# Altium PCB AL1000.PcbDoc (part 5 of 8) (continued)
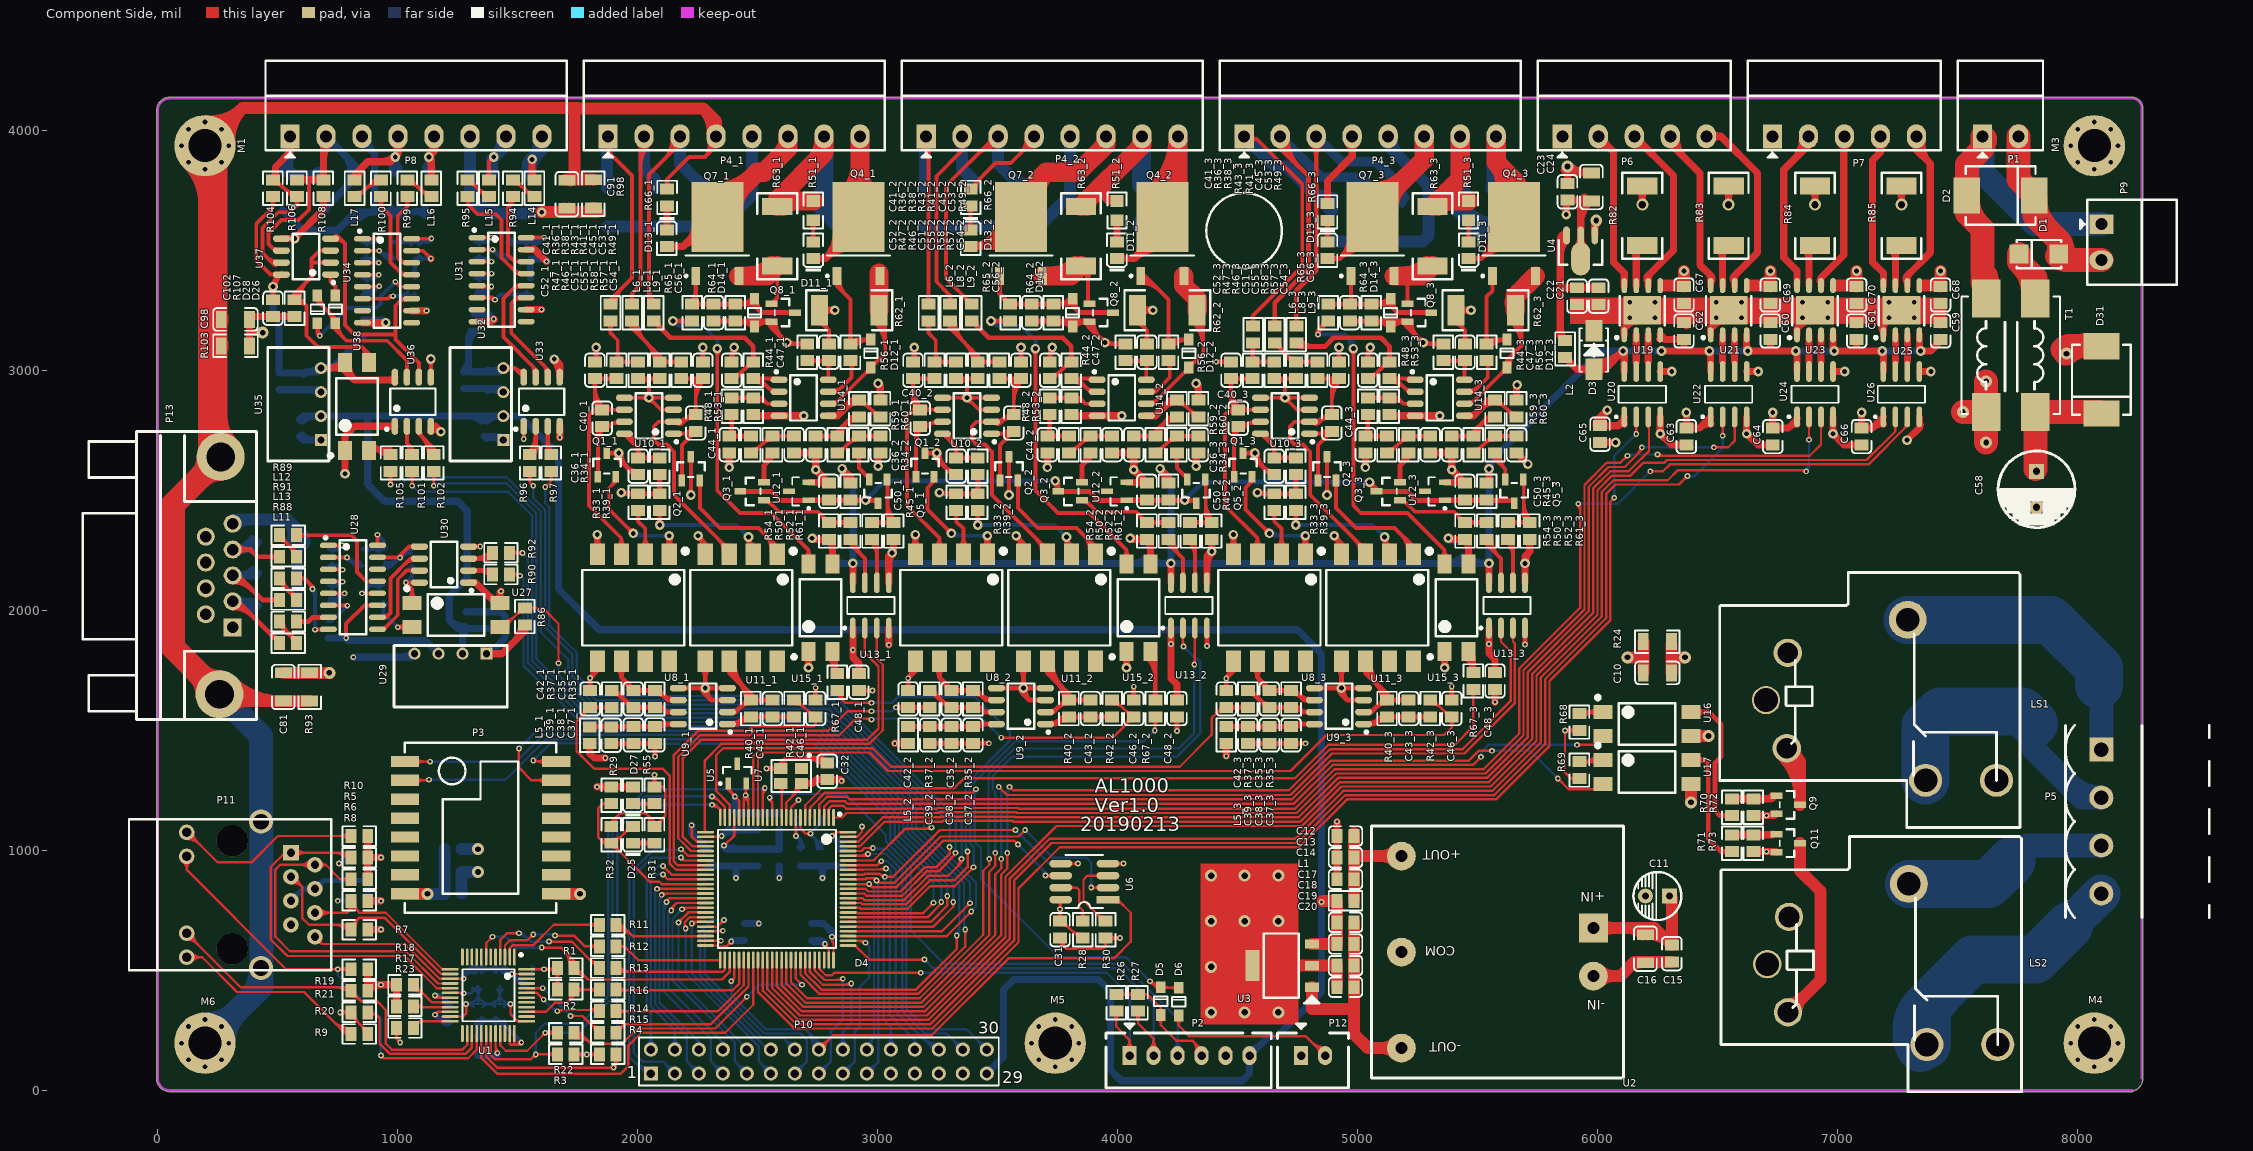
[diagram p0: Component Side view]
## Nets (pads, with @x,y where several pads share a name; then routed paths per layer and width w, separated by ;. In a path a pad name is that pad's centre, name@x,y a point inside that pad or via, vN(x,y) a via of type N, cw(c..) or ccw(c..) an arc to the next point about the centre after c; other vN are vias at no path point) (continued)
  Solder Side w10: v1(2080,840) 2073,833 2073,358.35 2205,226.35 2205,120 P10.5@2255,70 ; P10.5@2230.47,70 ccw(c2171.26,70) 2213.13,111.87 ccw(c2255,153.74) P10.5@2255,94.53 ; P10.5@2240.47,70 ccw(c2205.4,70) 2230.2,94.8 ccw(c2255,119.6) P10.5@2255,84.53
NetD4_39: D4.39 P10.6 | length 1007
  Component Side w10: v1(2100,815) 2105.32,820.31 D4.39@2282.76,820.31 ; v1@2104.95,810.05 cw(c2129.73,785.27) 2129.73,820.32
  Solder Side w10: 2091,776.37 cw(c2138.63,776.37) v1@2104.95,810.05 ; 2091,800.51 cw(c2114.49,800.51) v1@2097.88,817.12 ; v1(2100,815) 2091,806 2091,365.81 2255,201.81 ; P10.6@2248.76,193.72 ccw(c2246.64,201.81) 2255,201.81 ; P10.6@2255,170 2255,201.81 ; P10.6@2261.24,193.72 cw(c2263.36,201.81) 2255,201.81
NetD4_40: D4.40 P10.7 | length 1225.5
  Component Side w10: v1@2115,785 2130.63,800.63 ; v1@2126.79,786.71 cw(c2140.97,790.28) 2130.63,800.63 ; D4.40@2282.76,800.63 2130.63,800.63
  Solder Side w10: 2109,741.54 cw(c2163.46,741.54) v1@2124.95,780.05 ; 2109,765.69 cw(c2139.31,765.69) v1@2117.88,787.12 ; v1(2120,785) 2109,774 2109,411 2305,215 2305,120 P10.7@2355,70 ; P10.7@2330.47,70 ccw(c2271.26,70) 2313.13,111.87 ccw(c2355,153.74) P10.7@2355,94.53 ; P10.7@2340.47,70 ccw(c2305.4,70) 2330.2,94.8 ccw(c2355,119.6) P10.7@2355,84.53
NetD4_41: D4.41 P10.8 | length 934.4
  Component Side w10: v1@2137,750 cw(c2153.9,750) 2141.95,761.95 ; v1@2140,760 2160.94,780.94 D4.41@2282.76,780.94 ; v1@2147,750 cw(c2188.04,750) 2159.02,779.02
  Solder Side w10: v1@2133,750 cw(c2116.1,750) 2128.05,738.05 cw(c2140,726.1) v1@2140,743 ; v1(2140,750) 2127,737 2127,428 2355,200 ; P10.8@2340.6,170 P10.8@2355,170 2355,200 ; P10.8@2350.13,194.04 ccw(c2348.92,200) 2355,200 ; P10.8@2359.87,194.04 cw(c2361.08,200) 2355,200
NetD4_42: D4.42 P10.9 | length 1135
  Component Side w10: v1(2185,755) 2191.26,761.26 D4.42@2282.76,761.26 ; v1@2189.95,750.05 cw(c2217.01,722.99) 2217.01,761.26
  Solder Side w10: v1@2178,755 cw(c2161.1,755) 2173.05,743.05 cw(c2185,731.1) v1@2185,748 ; v1(2185,755) 2145,715 2145,458.18 2405,198.18 2405,120 P10.9@2455,70 ; P10.9@2430.47,70 ccw(c2371.26,70) 2413.13,111.87 ccw(c2455,153.74) P10.9@2455,94.53 ; P10.9@2440.47,70 ccw(c2405.4,70) 2430.2,94.8 ccw(c2455,119.6) P10.9@2455,84.53
NetD4_43: D4.43 P10.10 | length 831.4
  Component Side w10: v1(2170,700) 2170,700.46 2211.12,741.57 D4.43@2282.76,741.57 ; v1@2170,707 ccw(c2170,722.8) 2181.17,711.63 ; v1@2177,700 cw(c2195,700) 2182.27,712.73
  Solder Side w10: v1@2165.05,695.05 cw(c2153.1,683.1) 2170,683.1 cw(c2186.9,683.1) v1@2174.95,695.05 ; v1(2170,700) 2170,458.63 2455,173.63 P10.10@2455,170
NetD4_44: D4.44 P10.11 | length 1073
  Component Side w10: v1(2200,675) 2195,680 2195,700 ; v1@2204.38,680.46 cw(c2220.04,700) 2195,700 ; D4.44@2282.76,721.89 2216.89,721.89 2195,700
  Solder Side w10: v1@2195.05,670.05 cw(c2183.1,658.1) 2200,658.1 cw(c2216.9,658.1) v1@2204.95,670.05 ; v1(2200,675) 2200,488.18 2505,183.18 2505,120 P10.11@2555,70 ; P10.11@2530.47,70 ccw(c2471.26,70) 2513.13,111.87 ccw(c2555,153.74) P10.11@2555,94.53 ; P10.11@2540.47,70 ccw(c2505.4,70) 2530.2,94.8 ccw(c2555,119.6) P10.11@2555,84.53
NetD4_45: D4.45 P10.12 | length 801.9
  Component Side w10: v1@2223.18,697.07 cw(c2235.58,684.68) 2235.58,702.2 ; v1(2225.3,694.95) 2232.56,702.2 D4.45@2282.76,702.2 ; v1@2230.25,690 cw(c2259.72,660.54) D4.45@2259.72,702.2
  Solder Side w10: v1@2220.36,690 cw(c2209.14,678.79) 2225,678.79 ; 2225,677.31 cw(c2242.94,677.31) v1@2230.25,690 ; v1(2225.3,694.95) 2225,694.64 2225,488.63 2543.63,170 P10.12@2555,170
NetD4_46: D4.46 P10.14 | length 1114.5
  Component Side w10: D4.46@2282.76,682.52 2332.52,682.52 v1(2360,710) ; v1@2353,710 cw(c2336.1,710) 2348.05,698.05 cw(c2360,686.1) v1@2360,703
  Solder Side w10: v1@2355.05,705.05 ccw(c2343.1,693.1) 2343.1,710 ccw(c2343.1,726.9) v1@2355.05,714.95 ; v1(2360,710) 2310,710 2260,660 2260,479.09 2520.09,219 2606,219 P10.14@2655,170 ; P10.14@2630.47,170 ccw(c2571.26,170) 2613.13,211.87 ccw(c2655,253.74) P10.14@2655,194.53 ; P10.14@2640.47,170 ccw(c2605.4,170) 2630.2,194.8 ccw(c2655,219.6) P10.14@2655,184.53
NetD4_47: D4.47 P10.13 | length 1213
  Component Side w10: D4.47@2282.76,662.83 2352.83,662.83 v1(2355,665) ; 2332.87,662.83 ccw(c2332.87,687.13) v1@2350.05,669.95
  Solder Side w10: v1@2350.05,660.05 ccw(c2338.1,648.1) 2338.1,665 ccw(c2338.1,681.9) v1@2350.05,669.95 ; v1(2355,665) 2295,665 2280,650 2280,484.54 2527.54,237 2678,237 2705,210 2705,120 P10.13@2655,70 ; P10.13@2655,84.53 ccw(c2655,119.6) 2679.8,94.8 ccw(c2704.6,70) P10.13@2669.53,70 ; P10.13@2655,94.53 ccw(c2655,153.74) 2696.87,111.87 ccw(c2738.74,70) P10.13@2679.53,70
NetD4_48: D4.48 R11.2 | length 576.7
  Component Side w10: R11.2@1908.54,695.97 cw(c1912.62,663.2) 1935.97,686.55 ; R11.2@1909.77,686.05 cw(c1915.82,637.47) 1950.44,672.08 ; R11.2@1911.01,676.12 cw(c1919.03,611.74) 1964.9,657.62 ; R11.2@1912.24,666.2 cw(c1922.23,586.01) 1979.37,643.15 ; R11.2@1932.52,690 1979.37,643.15 ; D4.48@2282.76,643.15 1979.37,643.15
NetD4_51: D4.51 R12.2 | length 505.3
  Component Side w10: R12.2@1910.04,600 1945,600 ; R12.2@1924.48,589.53 cw(c1945,574.65) 1945,600 ; R12.2@1924.48,610.47 ccw(c1945,625.35) 1945,600 ; D4.51@2343.78,542.76 2002.24,542.76 1945,600
NetD4_52: D4.52 R13.2 | length 621.8
  Component Side w10: R13.2@1910.04,510 1925.72,494.32 2354.32,494.32 2363.46,503.46 D4.52@2363.46,542.76 ; R13.2@1915.58,509.44 ccw(c1952.07,545.93) 1952.07,494.32 ; R13.2@1922.65,516.51 ccw(c1976.21,570.07) 1976.21,494.32 ; 2355.97,495.97 ccw(c2339.1,512.83) D4.52@2362.95,512.83
NetD4_53: D4.53 R1.1 U1.7 | length 1677.8
  Component Side w10: U1.7@1368.15,555.79 1368.15,613.15 v1(1395,640) ; v1@1388,640 cw(c1371.1,640) 1383.05,628.05 cw(c1395,616.1) v1@1395,633 ; v1(1600,595) 1680,595 1735.04,539.96 ; v1@1604.95,590.05 cw(c1616.9,578.1) 1616.9,595 cw(c1616.9,611.9) v1@1604.95,599.95 ; 1687.72,587.28 cw(c1616.55,516.1) R1.1@1717.2,516.1 ; 1704.79,570.21 cw(c1650.69,516.1) R1.1@1727.2,516.1 ; 1721.87,553.13 cw(c1684.83,516.1) R1.1@1737.2,516.1 ; R1.1@1729.99,533.21 ccw(c1728,539.96) 1735.04,539.96 ; R1.1@1735.04,486.06 cw(c1735.04,404.23) 1792.91,462.09 ; R1.1@1735.04,496.06 cw(c1735.04,438.37) 1775.84,479.16 ; R1.1@1735.04,506.06 cw(c1735.04,472.51) 1758.76,496.24 ; R1.1@1740.09,533.21 cw(c1742.08,539.96) 1735.04,539.96 ; D4.53@2383.15,542.76 2383.15,493.15 2351.94,461.94 1793.06,461.94 1745,510 R1.1@1735.04,510 1735.04,539.96
  Solder Side w10: v1(1395,640) 1450,640 1495,595 v1(1600,595) ; v1@1399.95,635.05 cw(c1411.9,623.1) 1411.9,640 cw(c1411.9,656.9) v1@1399.95,644.95 ; v1@1595.05,590.05 ccw(c1583.1,578.1) 1583.1,595 ccw(c1583.1,611.9) v1@1595.05,599.95
NetD4_54: D4.54 P10.16 U6.1 | length 2891.5
  Component Side w10: v1(2390,455) 2402.83,467.83 D4.54@2402.83,542.76 ; v1@2390,462 ccw(c2390,478.9) 2401.95,466.95 ccw(c2413.9,455) v1@2397,455 ; P10.16@2755,170 2815,230 3225,230 3545,550 3985,550 4055,620 4055,740 4000,795 U6.1@3960,795 ; P10.16@2755,184.53 ccw(c2755,219.6) 2779.8,194.8 ccw(c2804.6,170) P10.16@2769.53,170 ; P10.16@2755,194.53 ccw(c2755,253.74) 2796.87,211.87 ccw(c2838.74,170) P10.16@2779.53,170 ; U6.1@3991.5,784.25 cw(c3991.5,737.77) 4024.36,770.64 ; U6.1@3991.5,794.25 cw(c3991.5,771.92) 4007.29,787.71
  Solder Side w10: v1@2385.05,450.05 cw(c2373.1,438.1) 2390,438.1 cw(c2406.9,438.1) v1@2394.95,450.05 ; v1(2390,455) 2390,400 2535,255 2700,255 ; 2715.31,239.69 cw(c2653.76,178.15) P10.16@2740.52,171.17 ; P10.16@2730.55,171.97 ccw(c2625.43,180.43) 2700,255 ; 2730.61,224.39 cw(c2682.09,175.87) P10.16@2750.49,170.36 ; 2745.91,209.09 cw(c2710.41,173.59) P10.16@2760.45,169.56 ; P10.16@2750.13,194.04 ccw(c2748.92,200) 2755,200 ; P10.16@2755,170 2755,200 ; P10.16@2759.87,194.04 cw(c2761.08,200) 2755,200 ; 2700,255 2755,200
NetD4_55: D4.55 R16.2 | length 714.3
  Component Side w10: R16.2@1910.04,420 1913.04,417 2395.73,417 2422.52,443.79 D4.55@2422.52,542.76 ; R16.2@1915.58,425.54 ccw(c1936.2,446.16) 1936.2,417 ; R16.2@1922.65,407.39 cw(c1945.85,384.19) 1945.85,417 ; R16.2@1922.65,432.61 ccw(c1960.34,470.3) 1960.34,417
NetD4_56: D4.56 R14.2 | length 749.3
  Component Side w10: R14.2@1910.04,330 2334.19,330 2442.2,438.02 D4.56@2442.2,542.76 ; R14.2@1922.65,317.39 cw(c1953.1,286.94) 1953.1,330 cw(c1953.1,373.06) R14.2@1922.65,342.61
NetD4_57: D4.57 R15.2 | length 824
  Component Side w10: R15.2@1910.04,240 1946.04,276 ; R15.2@1910.84,253.9 ccw(c1913.4,278.89) R15.2@1931.16,261.12 ; R15.2@1911.86,263.84 ccw(c1916.16,305.87) 1946.04,276 ; R15.2@1927.87,246.1 cw(c1956.2,246.1) 1936.17,266.13 ; D4.57@2461.89,542.76 2461.89,432.25 2305.64,276 1946.04,276
NetD4_58: D4.58 U1.29 | length 1616.4
  Component Side w10: U1.29@1348.46,236.89 1348.46,135.27 1413.73,70 1930,70 1960,100 1960,185 2015,240 2365,240 2481.57,356.57 D4.58@2481.57,542.76
NetD4_59: D4.59 U20.2 | length 5766.6
  Component Side w10: D4.59@2501.26,542.76 2501.26,410.19 2653.45,258 3227.54,258 3587,617.46 3587,841 3759,1013 4756.65,1013 4956.15,1212.5 5577.5,1212.5 5800,1435 5800,1706 6054,1960 6054,2454 v1(6070,2470) ; v1@6063,2470 cw(c6046.1,2470) 6058.05,2458.05 cw(c6070,2446.1) v1@6070,2463 ; v1@6156.82,2739.95 ccw(c6144.87,2751.9) 6161.77,2751.9 ccw(c6178.67,2751.9) v1@6166.72,2739.95 ; U20.2@6156.96,2770.58 cw(c6145.33,2758.95) 6161.77,2758.95 cw(c6178.21,2758.95) U20.2@6166.59,2770.58 ; v1(6161.77,2735) U20.2@6161.77,2806.89
  Solder Side w10: v1@6065.05,2474.95 ccw(c6053.1,2486.9) 6070,2486.9 ccw(c6086.9,2486.9) v1@6074.95,2474.95 ; v1(6070,2470) 6070,2643.23 v1(6161.77,2735) ; v1@6154.77,2735 cw(c6137.87,2735) 6149.82,2723.05 cw(c6161.77,2711.1) v1@6161.77,2728
NetD4_60: D4.60 U22.2 | length 6051.2
  Component Side w10: D4.60@2520.94,542.76 2520.94,415.97 2660.91,276 3220.09,276 3569,624.91 3569,875.09 3724.91,1031 4749.19,1031 4948.69,1230.5 5570.04,1230.5 5782,1442.46 5782,1713.46 6036,1967.46 6036,2486 6075,2525 6340,2525 v1(6375,2560) ; v1@6368,2560 cw(c6351.1,2560) 6363.05,2548.05 cw(c6375,2536.1) v1@6375,2553 ; v1@6516.82,2733.18 ccw(c6504.87,2745.13) 6521.77,2745.13 ccw(c6538.67,2745.13) v1@6526.72,2733.18 ; U22.2@6516.96,2770.58 cw(c6505.33,2758.95) 6521.77,2758.95 cw(c6538.21,2758.95) U22.2@6526.59,2770.58 ; v1(6521.77,2728.23) U22.2@6521.77,2806.89
  Solder Side w10: v1(6375,2560) 6405,2560 6521.77,2676.77 v1(6521.77,2728.23) ; v1@6379.95,2555.05 cw(c6391.9,2543.1) 6391.9,2560 cw(c6391.9,2576.9) v1@6379.95,2564.95 ; v1@6516.82,2723.28 cw(c6504.87,2711.33) 6521.77,2711.33 cw(c6538.67,2711.33) v1@6526.72,2723.28
NetD4_61: D4.61 U24.2 | length 6471.5
  Component Side w10: D4.61@2540.63,542.76 2540.63,421.74 2668.37,294 3212.63,294 3551,632.37 3551,882.54 3717.46,1049 4741.73,1049 4941.23,1248.5 5562.59,1248.5 5764,1449.91 5764,1720.91 6018,1974.91 6018,2493.46 6067.54,2543 6293,2543 6335,2585 6865,2585 v1(6870,2580) ; 6841.03,2585 cw(c6841.03,2551.03) v1@6865.05,2575.05 ; v1@6876.82,2716.72 ccw(c6864.87,2728.67) 6881.77,2728.67 ccw(c6898.67,2728.67) v1@6886.72,2716.72 ; U24.2@6876.96,2770.58 cw(c6865.33,2758.95) 6881.77,2758.95 cw(c6898.21,2758.95) U24.2@6886.59,2770.58 ; v1(6881.77,2711.77) U24.2@6881.77,2806.89
  Solder Side w10: v1@6865.05,2584.95 ccw(c6824.68,2625.32) 6881.77,2625.32 ; v1(6870,2580) 6881.77,2591.77 v1(6881.77,2711.77) ; v1@6872.12,2577.88 ccw(c6848.82,2601.18) 6881.77,2601.18 ; v1@6876.82,2706.82 cw(c6864.87,2694.87) 6881.77,2694.87 cw(c6898.67,2694.87) v1@6886.72,2706.82
NetD4_62: D4.62 U26.2 | length 6547.8
  Component Side w10: D4.62@2560.32,542.76 2560.32,427.51 2675.82,312 3205.18,312 3533,639.82 3533,890 3745,1102 4769.28,1102 4933.78,1266.5 5555.13,1266.5 5746,1457.37 5746,1728.37 6000,1982.37 6000,2500.91 6061.27,2562.18 6137.18,2562.18 6190,2615 6278,2615 6290,2627 7121.54,2627 7241.77,2747.23 U26.2@7241.77,2806.89 ; U26.2@7236.96,2770.58 cw(c7225.33,2758.95) 7241.77,2758.95 cw(c7258.21,2758.95) U26.2@7246.59,2770.58
NetD4_67: D4.67 R22.2 | length 1534.8
  Component Side w10: R22.2@1725.04,240 R22.2@1735.04,240 1760,240 ; R22.2@1732.99,245.89 cw(c1738.95,211) 1763.97,236.03 ; R22.2@1734.68,236.03 cw(c1742.93,187.64) 1777.65,222.35 ; R22.2@1736.36,226.17 cw(c1746.92,164.27) 1791.32,208.68 ; R22.2@1738.04,216.32 cw(c1750.91,140.91) 1805,195 ; R22.2@1751.91,234.22 cw(c1760,231.45) 1760,240 ; R22.2@1751.91,245.78 ccw(c1760,248.55) 1760,240 ; v1@2448,390 cw(c2431.1,390) 2443.05,378.05 cw(c2455,366.1) v1@2455,383 ; v1(2455,390) 2323,258 1998,258 1945.87,205.87 1945.87,205.68 1938.26,198.06 1908.06,198.06 1905,195 1805,195 ; D4.67@2658.74,542.76 2658.74,466.26 v1(2685,440) ; v1@2678,440 ccw(c2661.1,440) 2673.05,451.95 ccw(c2685,463.9) v1@2685,447 ; 1760,240 1805,195
  Solder Side w10: v1(2455,390) 2505,440 v1(2685,440) ; v1@2455,397 ccw(c2455,413.9) 2466.95,401.95 ccw(c2478.9,390) v1@2462,390 ; v1@2680.05,435.05 ccw(c2668.1,423.1) 2668.1,440 ccw(c2668.1,456.9) v1@2680.05,444.95
NetD4_68: D4.68 R92.2 | length 4116.5
  Component Side w10: R92.2@1465.04,2240 v1(1520,2240) ; R92.2@1477.65,2227.39 cw(c1508.1,2196.94) 1508.1,2240 cw(c1508.1,2283.06) R92.2@1477.65,2252.61 ; 1495.69,2236.68 cw(c1502.79,2210.19) v1@1516.5,2233.94 ; 1495.69,2243.32 ccw(c1502.79,2269.81) v1@1516.5,2246.06 ; v1@1515.05,2235.05 ccw(c1503.1,2223.1) 1503.1,2240 ccw(c1503.1,2256.9) v1@1515.05,2244.95 ; D4.68@2678.43,542.76 2678.43,481.93 2758.36,402 3167.9,402 3365,599.1 v1(3365,670) ; v1@3360.05,665.05 cw(c3348.1,653.1) 3365,653.1 cw(c3381.9,653.1) v1@3369.95,665.05
  Solder Side w10: v1@1520,2233 cw(c1520,2216.1) 1531.95,2228.05 cw(c1543.9,2240) v1@1527,2240 ; v1(1520,2240) 1542,2218 1542,1783 1789,1536 1927.55,1536 1928.13,1535.42 2340.18,1535.42 2340.76,1536 2773.54,1536 3143,1166.54 3143,1081.56 3360,864.56 3360,675 v1(3365,670) ; 3360,698.97 ccw(c3393.97,698.97) v1@3369.95,674.95
NetD4_69: D4.69 R90.1 | length 3946.6
  Component Side w10: R90.1@1465.04,2150 v1@1505,2150 ; R90.1@1478.31,2138.09 cw(c1505,2114.15) v1@1505,2150 ; R90.1@1478.31,2161.91 ccw(c1505,2185.85) v1@1505,2150 ; R90.1@1481.03,2150 cw(c1481.03,2116.03) v1@1505.05,2140.05 ; R90.1@1486.35,2155 cw(c1478.85,2127.02) v1@1503.94,2141.5 ; D4.69@2698.11,542.76 2698.11,487.7 2765.81,420 3160.44,420 3330,589.56 v1(3330,645) ; v1@3325.05,640.05 cw(c3313.1,628.1) 3330,628.1 cw(c3346.9,628.1) v1@3334.95,640.05
  Solder Side w10: v1@1510,2138 cw(c1510,2121.1) 1521.95,2133.05 cw(c1533.9,2145) v1@1517,2145 ; v1(1510,2145) 1524,2131 1524,1771 1777,1518 1920.09,1518 1920.67,1517.42 2347.63,1517.42 2348.21,1518 2766.09,1518 3125,1159.09 3125,1074.1 3340,859.1 3340,655 v1(3330,645) ; v1@3325.05,649.95 ccw(c3288.96,686.04) 3340,686.04 ; v1@3332.12,642.88 ccw(c3313.1,661.9) 3340,661.9
NetD4_70: D4.70 P10.18 | length 736.5
  Component Side w10: D4.70@2717.8,542.76 2717.8,493.47 2771.27,440 2885,440 v1(2890,445) ; 2861.03,440 ccw(c2861.03,473.97) v1@2885.05,449.95
  Solder Side w10: P10.18@2837.66,187.34 ccw(c2795.79,229.21) 2855,229.21 ccw(c2914.21,229.21) P10.18@2872.34,187.34 ; P10.18@2844.73,180.27 ccw(c2819.93,205.07) 2855,205.07 ccw(c2890.07,205.07) P10.18@2865.27,180.27 ; P10.18@2855,170 2855,245 2890,280 v1(2890,445) ; v1@2885.05,440.05 cw(c2873.1,428.1) 2890,428.1 cw(c2906.9,428.1) v1@2894.95,440.05
NetD4_71: D4.71 P10.15 | length 816.3
  Component Side w10: D4.71@2737.48,542.76 2737.48,500.57 2778.05,460 2850,460 v1(2855,465) ; 2826.03,460 ccw(c2826.03,493.97) v1@2850.05,469.95
  Solder Side w10: P10.15@2755,70 2805,120 2805,245 2855,295 v1(2855,465) ; P10.15@2755,84.53 ccw(c2755,119.6) 2779.8,94.8 ccw(c2804.6,70) P10.15@2769.53,70 ; P10.15@2755,94.53 ccw(c2755,153.74) 2796.87,111.87 ccw(c2838.74,70) P10.15@2779.53,70 ; v1@2850.05,460.05 cw(c2838.1,448.1) 2855,448.1 cw(c2871.9,448.1) v1@2859.95,460.05
NetD4_72: D4.72 P2.1 R26.1 | length 2256.5
  Component Side w10: D4.72@2757.17,542.76 2757.17,506.34 2783.51,480 2809.57,480 2819.78,490.22 2820,490 3179.57,490 v1(3179.78,490.22) ; D4.72@2757.68,512.83 ccw(c2774.59,512.83) 2762.63,500.87 ; 3162.36,490 ccw(c3162.36,507.64) v1@3174.83,495.17 ; 3163.41,490 cw(c3163.41,473.84) v1@3174.83,485.27 ; R26.1@3982.39,317.35 cw(c3951.94,286.9) 3995,286.9 cw(c4038.06,286.9) R26.1@4007.61,317.35 ; R26.1@3995,329.96 3995,265 4050,210 ; P2.1@4033.57,173.06 ccw(c4000.25,210) 4050,210 ; P2.1@4040.27,165.63 ccw(c4020.53,187.51) 4050,187.51 ccw(c4079.47,187.51) P2.1@4059.73,165.63 ; P2.1@4050,145 4050,210 ; P2.1@4066.43,173.06 cw(c4099.75,210) 4050,210
  Solder Side w10: v1(3179.78,490.22) 3954.78,490.22 4050,395 P2.1@4050,145 ; v1@3184.73,485.27 cw(c3196.68,473.32) 3196.68,490.22 cw(c3196.68,507.12) v1@3184.73,495.17 ; P2.1@4032.66,172.19 ccw(c3990.79,214.06) 4050,214.06 ccw(c4109.21,214.06) P2.1@4067.34,172.19 ; P2.1@4039.73,165.12 ccw(c4014.93,189.92) 4050,189.92 ccw(c4085.07,189.92) P2.1@4060.27,165.12
NetD4_76: D4.76 P2.2 R27.1 | length 2217.6
  Component Side w10: D4.76@2877.24,603.78 2906.22,603.78 2965,545 v1(3195,545) ; v1@3190.05,540.05 ccw(c3178.1,528.1) 3178.1,545 ccw(c3178.1,561.9) v1@3190.05,549.95 ; R27.1@4072.39,317.35 cw(c4041.94,286.9) 4085,286.9 cw(c4128.06,286.9) R27.1@4097.61,317.35 ; R27.1@4085,329.96 4085,280 4150,215 P2.2@4150,145 ; P2.2@4132.66,172.19 ccw(c4090.79,214.06) 4150,214.06 ccw(c4209.21,214.06) P2.2@4167.34,172.19 ; P2.2@4139.73,165.11 ccw(c4114.93,189.91) 4150,189.91 ccw(c4185.07,189.91) P2.2@4160.27,165.11
  Solder Side w10: v1@3195,538 cw(c3195,521.1) 3206.95,533.05 cw(c3218.9,545) v1@3202,545 ; v1(3195,545) 3231.78,508.22 4001.78,508.22 4150,360 P2.2@4150,145 ; P2.2@4132.66,172.19 ccw(c4090.79,214.06) 4150,214.06 ccw(c4209.21,214.06) P2.2@4167.34,172.19 ; P2.2@4139.73,165.11 ccw(c4114.93,189.91) 4150,189.91 ccw(c4185.07,189.91) P2.2@4160.27,165.11
NetD4_77: D4.77 P10.17 | length 900.7
  Component Side w10: D4.77@2877.24,623.46 2941.54,623.46 v1(2950,615) ; D4.77@2912.67,623.46 cw(c2912.67,577.67) v1@2945.05,610.05 ; 2936.81,623.46 cw(c2936.81,601.81) v1@2952.12,617.12
  Solder Side w10: P10.17@2855,70 2905,120 2905,245 2925,265 2925,430 2965,470 2965,600 v1(2950,615) ; P10.17@2855,84.53 ccw(c2855,119.6) 2879.8,94.8 ccw(c2904.6,70) P10.17@2869.53,70 ; P10.17@2855,94.53 ccw(c2855,153.74) 2896.87,111.87 ccw(c2938.74,70) P10.17@2879.53,70 ; v1@2950,608 cw(c2950,591.1) 2961.95,603.05 cw(c2973.9,615) v1@2957,615
NetD4_81: D4.81 P3.1 | length 3321.1
  Component Side w10: P3.1@1030.04,1370.59 1134.41,1370.59 v1(1135,1370) ; P3.1@1078.64,1357.42 cw(c1110.43,1325.63) 1110.43,1370.59 cw(c1110.43,1415.55) P3.1@1078.64,1383.76 ; 1116.67,1370.59 cw(c1116.67,1351.67) v1@1130.05,1365.05 ; 1119.53,1370.59 ccw(c1119.53,1385.47) v1@1130.05,1374.95 ; D4.81@2877.24,702.2 3222.2,702.2 3290,770 v1(3290,810) ; v1@3285.05,805.05 cw(c3273.1,793.1) 3290,793.1 cw(c3306.9,793.1) v1@3294.95,805.05
  Solder Side w10: v1(1135,1370) 1495,1370 1607,1482 1905.18,1482 1905.76,1481.42 2362.54,1481.42 2363.13,1482 2751.18,1482 3089,1144.18 3089,1059.19 3290,858.19 v1(3290,810) ; v1@1139.95,1365.05 cw(c1151.9,1353.1) 1151.9,1370 cw(c1151.9,1386.9) v1@1139.95,1374.95 ; v1@3285.05,814.95 ccw(c3273.1,826.9) 3290,826.9 ccw(c3306.9,826.9) v1@3294.95,814.95
NetD4_82: D4.82 P3.2 | length 3244.4
  Component Side w10: P3.2@1030.04,1291.85 1126.85,1291.85 v1(1130,1295) ; P3.2@1078.64,1278.68 cw(c1110.43,1246.89) 1110.43,1291.85 cw(c1110.43,1336.81) P3.2@1078.64,1305.02 ; 1105.5,1291.85 ccw(c1105.5,1319.5) v1@1125.05,1299.95 ; D4.82@2877.24,721.89 2878.13,721 3207.36,721 3265,778.64 v1(3265,785)
  Solder Side w10: v1(1130,1295) 1450,1295 1540,1385 1540,1385.36 1618.64,1464 1897.72,1464 1898.31,1463.42 2370,1463.42 2370.58,1464 2743.72,1464 3071,1136.72 3071,1051.73 3265,857.73 v1(3265,785) ; v1@1134.95,1290.05 cw(c1146.9,1278.1) 1146.9,1295 cw(c1146.9,1311.9) v1@1134.95,1299.95 ; v1@3260.05,789.95 ccw(c3248.1,801.9) 3265,801.9 ccw(c3281.9,801.9) v1@3269.95,789.95
NetD4_83: D4.83 P3.16 | length 2730.9
  Component Side w10: v1(1565,1375) 1569.41,1370.59 P3.16@1659.96,1370.59 ; v1@1569.95,1379.95 ccw(c1592.54,1402.54) 1592.54,1370.59 ; P3.16@1611.36,1357.42 ccw(c1579.57,1325.63) 1579.57,1370.59 ccw(c1579.57,1415.55) P3.16@1611.36,1383.76 ; D4.83@2877.24,741.57 2913.66,741.57 2916.23,739 ; D4.83@2907.33,741.09 cw(c2910.1,732.86) 2916.23,739 ; v1@3226,782 cw(c3209.1,782) 3221.05,770.05 cw(c3233,758.1) v1@3233,775 ; v1(3233,782) 3190,739 2916.23,739
  Solder Side w10: v1(1565,1375) 1636,1446 1890.27,1446 1891.27,1445 2735,1445 3053,1127 3053,1044.28 3233,864.28 ; v1@1565,1382 ccw(c1565,1398.9) 1576.95,1386.95 ccw(c1588.9,1375) v1@1572,1375 ; v1@3228.05,786.95 ccw(c3216.1,798.9) 3233,798.9 ccw(c3249.9,798.9) v1@3237.95,786.95 ; 3230.09,861.37 3233,858.45 v1(3233,782) v1@3238,787
NetD4_84: D4.84 R67_2.1 | length 2032.6
  Component Side w10: D4.84@2877.24,761.26 2925.74,761.26 2930,757 3125.09,757 3219.27,851.18 3321.18,851.18 v1(3400,930) ; v1@3393,930 cw(c3376.1,930) 3388.05,918.05 cw(c3400,906.1) v1@3400,923 ; R67_2.1@4144.75,1543.77 cw(c4114.31,1513.32) 4157.36,1513.32 cw(c4200.42,1513.32) R67_2.1@4169.97,1543.77 ; v1@4150.05,1504.95 ccw(c4132.4,1522.6) 4157.36,1522.6 ; v1(4155,1500) 4157.36,1502.36 R67_2.1@4157.36,1556.38
  Solder Side w10: v1@3395.05,934.95 ccw(c3383.1,946.9) 3400,946.9 ccw(c3416.9,946.9) v1@3404.95,934.95 ; v1@3402.18,932.18 v1(3400,930) 3400,1015 3386,1029 3386,1243.64 3385,1244.64 3385,1265.91 3574.09,1455 4110,1455 v1(4155,1500) ; v1@4148,1500 cw(c4131.1,1500) 4143.05,1488.05 cw(c4155,1476.1) v1@4155,1493
NetD4_85: D4.85 R67_1.1 | length 2262.3
  Component Side w10: R67_1.1@2831.77,1666.38 2831.77,1648.23 2865,1615 ; R67_1.1@2835.83,1667.1 ccw(c2862.72,1657.61) 2842.56,1637.44 ; R67_1.1@2845.26,1663.77 ccw(c2879.31,1651.75) 2853.78,1626.22 ; R67_1.1@2854.69,1660.44 ccw(c2895.9,1645.9) 2865,1615 ; D4.85@2877.24,780.94 2931.51,780.94 2937.46,775 3117.63,775 3217.63,875 3319.54,875 3375,930.46 v1(3375,995) ; v1@2970.05,1610.05 ccw(c2958.1,1598.1) 2958.1,1615 ccw(c2958.1,1631.9) v1@2970.05,1619.95 ; v1(2975,1615) 2865,1615 ; v1@3370.05,990.05 cw(c3358.1,978.1) 3375,978.1 cw(c3391.9,978.1) v1@3379.95,990.05
  Solder Side w10: v1(2975,1615) 3059.64,1615 3084.64,1640 3405,1640 3550,1495 3550,1456.37 3367,1273.37 3367,1237.19 3368,1236.19 3368,1002 v1(3375,995) ; v1@2979.95,1610.05 cw(c2991.9,1598.1) 2991.9,1615 cw(c2991.9,1631.9) v1@2979.95,1619.95 ; 3368,1028.8 ccw(c3408.8,1028.8) v1@3379.95,999.95
NetD4_86: D4.86 R97.2 | length 3704.3
  Component Side w10: v1(1615,2515) 1640,2540 ; v1@1615,2522 ccw(c1615,2538.9) 1626.95,2526.95 ccw(c1638.9,2515) v1@1622,2515 ; R97.2@1628.09,2566.69 cw(c1604.15,2540) 1640,2540 ; R97.2@1640,2579.96 1640,2540 ; R97.2@1651.91,2566.69 ccw(c1675.85,2540) 1640,2540 ; D4.86@2877.24,800.63 2937.28,800.63 2944.91,793 3110.18,793 3211.77,894.59 3294.59,894.59 3350,950 ; 3327.44,927.44 ccw(c3289.89,965) v1@3343,965 ; 3344.51,944.51 ccw(c3324.03,965) v1@3353,965 ; v1@3345.5,959.63 cw(c3337.43,950) 3350,950 ; v1(3350,965) 3350,950 ; v1@3354.5,959.63 ccw(c3362.57,950) 3350,950
  Solder Side w10: v1@1610.05,2510.05 cw(c1598.1,2498.1) 1615,2498.1 cw(c1631.9,2498.1) v1@1619.95,2510.05 ; v1(1615,2515) 1615,2447 1632,2430 1632,1938 1746,1824 1746,1731.73 1833.73,1644 1972.28,1644 1972.86,1643.42 2295.44,1643.42 2296.02,1644 2819.91,1644 3350,1113.91 v1(3350,965) ; v1@3345.05,969.95 ccw(c3333.1,981.9) 3350,981.9 ccw(c3366.9,981.9) v1@3354.95,969.95
NetD4_87: D4.87 R96.1 | length 3579.6
  Component Side w10: R96.1@1537.39,2567.35 cw(c1506.94,2536.9) 1550,2536.9 cw(c1593.06,2536.9) R96.1@1562.61,2567.35 ; R96.1@1550,2579.96 1550,2535 v1(1565,2520) ; v1@1558,2520 ccw(c1541.1,2520) 1553.05,2531.95 ccw(c1565,2543.9) v1@1565,2527 ; D4.87@2877.24,820.31 2943.05,820.31 2952.37,811 3102.72,811 3204.31,912.59 3253.04,912.59 3325,984.54 v1@3325,985
  Solder Side w10: v1@1560.05,2515.05 cw(c1548.1,2503.1) 1565,2503.1 cw(c1581.9,2503.1) v1@1569.95,2515.05 ; v1(1565,2520) 1565,2469 1614,2420 1614,1930.54 1728,1816.54 1728,1724.28 1826.28,1626 1964.82,1626 1965.41,1625.42 2302.9,1625.42 2303.48,1626 2812.46,1626 3325,1113.46 v1@3325,985 ; v1@3320.05,994.95 ccw(c3308.1,1006.9) 3325,1006.9 ccw(c3341.9,1006.9) v1@3329.95,994.95
  other v1: 3325,990
NetD4_88: D4.88 R105.1 | length 4176.3
  Component Side w10: R105.1@957.39,2567.35 cw(c926.94,2536.9) 970,2536.9 cw(c1013.06,2536.9) R105.1@982.61,2567.35 ; v1@963.94,2528.5 ccw(c940.19,2542.21) 966.68,2549.31 ; v1@965.05,2529.95 ccw(c953.1,2541.9) 970,2541.9 ccw(c986.9,2541.9) v1@974.95,2529.95 ; v1(970,2525) R105.1@970,2579.96 ; 973.32,2549.31 ccw(c999.81,2542.21) v1@976.06,2528.5 ; D4.88@2877.24,840 2948.82,840 2959.82,829 3095.27,829 3196.86,930.59 3245.59,930.59 3300,985 v1(3300,1014.75) v1@3300,1011.18 ; v1@3295.05,1009.8 cw(c3283.1,997.85) 3300,997.85 cw(c3316.9,997.85) v1@3304.95,1009.8
  Solder Side w10: v1(970,2525) 1015,2525 1045,2555 1453.54,2555 1596,2412.54 1596,1911 1710,1797 1710,1716.82 1818.82,1608 1957.37,1608 1957.95,1607.42 2310.35,1607.42 2310.93,1608 2805,1608 3300,1113 v1(3300,1014.75) ; v1@974.95,2520.05 cw(c986.9,2508.1) 986.9,2525 cw(c986.9,2541.9) v1@974.95,2529.95 ; v1@3295.05,1019.7 ccw(c3283.1,1031.65) 3300,1031.65 ccw(c3316.9,1031.65) v1@3304.95,1019.7
NetD4_89: D4.89 P10.20 U6.6 | length 2190.2
  Component Side w10: D4.89@2877.24,859.69 v1(2964.68,859.69) 2977.37,847 3079,847 3272,1040 3570,1040 v1(3585,1025) ; v1@2959.74,854.74 ccw(c2947.79,842.79) 2947.79,859.69 ccw(c2947.79,876.58) v1@2959.74,864.63 ; v1@2964.68,852.69 cw(c2964.68,835.79) 2976.63,847.74 cw(c2988.58,859.69) v1@2971.68,859.69 ; v1@3578,1025 ccw(c3561.1,1025) 3573.05,1036.95 ccw(c3585,1048.9) v1@3585,1032 ; v1(3700,895) U6.6@3763.15,895 ; v1@3704.47,889.62 cw(c3712.83,879.56) U6.6@3716.21,892.19 ; v1@3704.47,900.38 ccw(c3712.83,910.44) U6.6@3716.21,897.81 ; v1@3704.95,890.05 cw(c3716.9,878.1) 3716.9,895 cw(c3716.9,911.9) v1@3704.95,899.95 ; v1@3706.06,891.5 cw(c3716.33,885.57) 3713.26,897.02 ; v1@3706.06,898.5 ccw(c3716.33,904.43) 3713.26,892.98 ; U6.6@3724.05,887.4 ccw(c3705.71,869.05) 3705.71,895 ccw(c3705.71,920.95) U6.6@3724.05,902.6
  Solder Side w10: P10.20@2955,170 2955,190 2985,220 ; P10.20@2959.15,171.82 cw(c2981.83,181.79) 2964.31,199.31 ; v1@2964.68,852.69 cw(c2964.68,835.79) 2976.63,847.74 cw(c2988.58,859.69) v1@2971.68,859.69 ; v1(2964.68,859.69) 2985,839.37 2985,220 ; P10.20@2968.3,175.84 cw(c2996.21,188.1) 2974.65,209.65 ; P10.20@2977.46,179.86 cw(c3010.58,194.42) 2985,220 ; v1@3585,1018 cw(c3585,1001.1) 3596.95,1013.05 cw(c3608.9,1025) v1@3592,1025 ; v1(3585,1025) 3700,910 ; 3677.44,932.56 cw(c3639.89,895) v1@3693,895 ; 3694.51,915.49 cw(c3674.03,895) v1@3703,895 ; v1@3695.5,900.37 ccw(c3687.43,910) 3700,910 ; v1(3700,895) 3700,910 ; v1@3704.5,900.37 cw(c3712.57,910) 3700,910